# KiCad board ILM139C.kicad_pcb (continued)
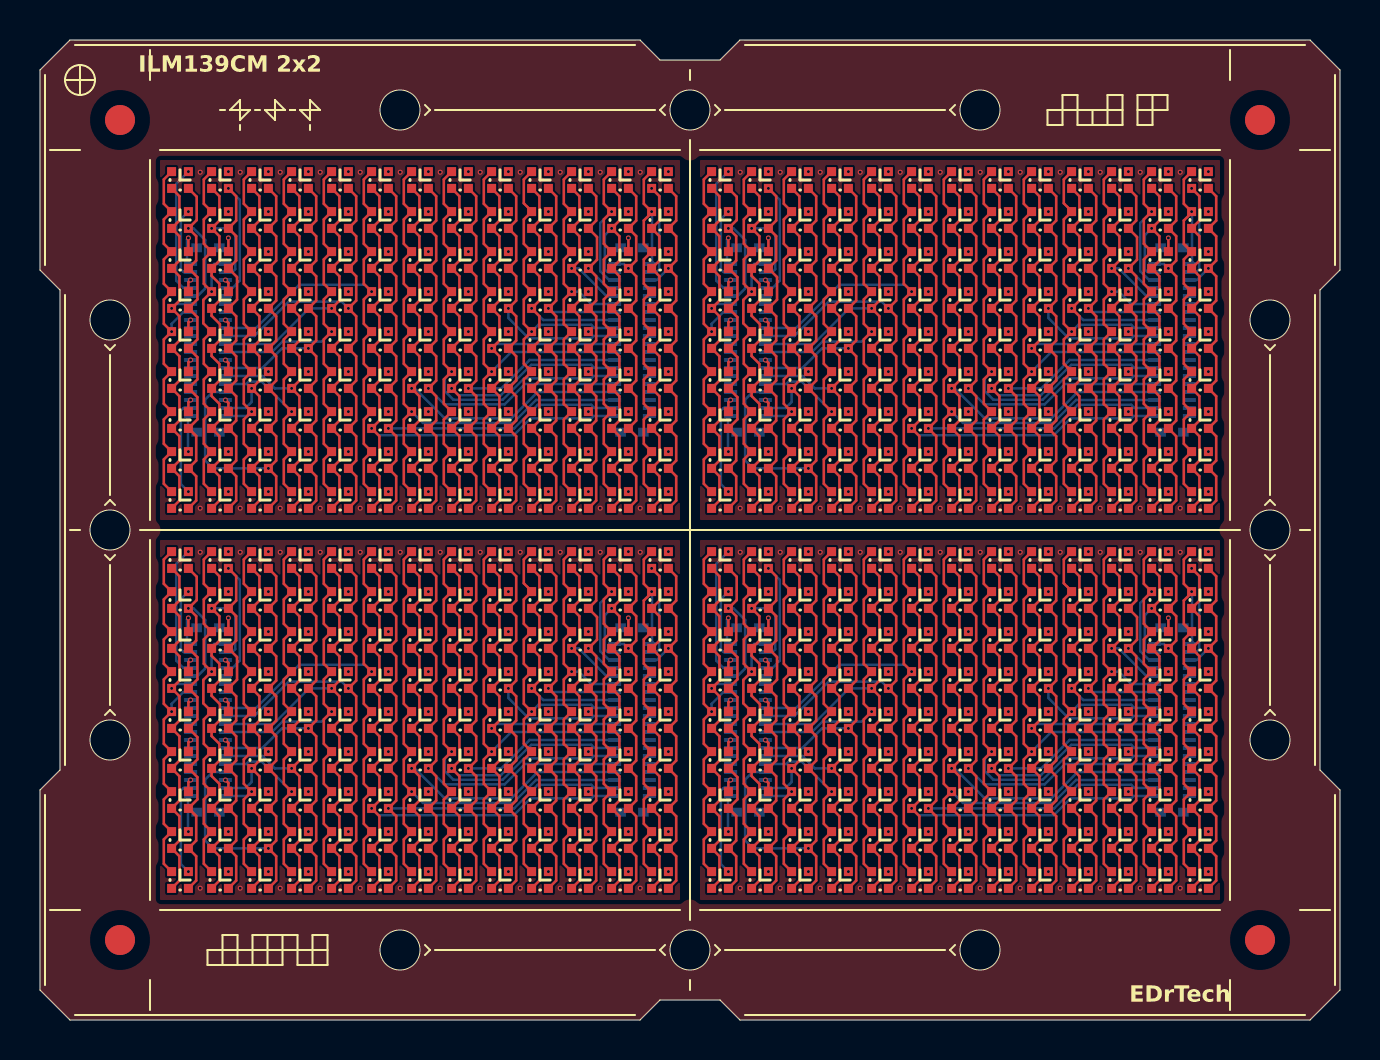
[diagram p0: board, top side]
## Routing (per net, layer and track width the routed paths; a pad name or vN(x,y) marks a point on that pad's centre or on a via; arc(x,y) is an arc through that point) (continued)
  Bottom w0.127: v1(16.58,36.42) 16.24,36.76 12.96,36.76 10.8,34.6 CN4#2.9 ; CN4.9 10.8,15.6 12.96,17.76 16.24,17.76 v1(16.58,17.42) ; v1(43.58,36.42) 43.24,36.76 39.96,36.76 37.8,34.6 CN4#4.9 ; CN4#3.9 37.8,15.6 39.96,17.76 43.24,17.76 v1(43.58,17.42)
S17: length 125.1
  Top w0.127: U29#4.3 43.97,41.19 43.97,39.97 U32#4.3 43.97,39.19 43.97,37.97 U35#4.3 43.97,37.19 43.97,35.97 U38#3.3 43.97,35.19 43.97,33.97 U41#3.3 43.97,33.19 43.97,31.97 U44#3.3 43.97,31.19 43.97,29.97 v1(43.58,29.58) 43.97,29.19 43.97,27.97 U50#4.3 43.97,27.19 43.97,25.97 U53.3 ; U29#3.3 16.97,41.19 16.97,39.97 U32#2.3 16.97,39.19 16.97,37.97 U35.3 16.97,37.19 16.97,35.97 U38#4.3 16.97,35.19 16.97,33.97 U41#2.3 16.97,33.19 16.97,31.97 U44#2.3 16.97,31.19 16.97,29.97 v1(16.58,29.58) 16.97,29.19 16.97,27.97 U50#3.3 16.97,27.19 16.97,25.97 U53#2.3 ; U53#4.3 43.97,6.97 43.97,8.19 U50.3 43.97,8.97 43.97,10.19 v1(43.58,10.58) 43.97,10.97 43.97,12.19 U44#4.3 43.97,12.97 43.97,14.19 U41#4.3 43.97,14.97 43.97,16.19 U38#2.3 43.97,16.97 43.97,18.19 U35#2.3 43.97,18.97 43.97,20.19 U32#3.3 43.97,20.97 43.97,22.19 U29#2.3 ; U29.3 16.97,22.19 16.97,20.97 U32.3 16.97,20.19 16.97,18.97 U35#3.3 16.97,18.19 16.97,16.97 U38.3 16.97,16.19 16.97,14.97 U41.3 16.97,14.19 16.97,12.97 U44.3 16.97,12.19 16.97,10.97 v1(16.58,10.58) 16.97,10.19 16.97,8.97 U50#2.3 16.97,8.19 16.97,6.97 U53#3.3
  Bottom w0.127: CN3#3.21 27.68,30.2 27.56,30.08 24.53,30.08 23.69,29.24 16.92,29.24 v1(16.58,29.58) ; v1(16.58,10.58) 16.92,10.24 23.69,10.24 24.53,11.08 27.56,11.08 27.68,11.2 CN3.21 ; CN3#2.21 54.68,30.2 54.56,30.08 51.53,30.08 50.69,29.24 43.92,29.24 v1(43.58,29.58) ; CN3#4.21 54.68,11.2 54.56,11.08 51.53,11.08 50.69,10.24 43.92,10.24 v1(43.58,10.58)
S18: length 121.8
  Top w0.127: U53.2 44.81,25.97 44.81,27.19 U50#4.2 44.81,27.97 44.81,29.19 v1(44.42,29.58) 44.81,29.97 44.81,31.19 U44#3.2 44.81,31.97 44.81,33.19 U41#3.2 44.81,33.97 44.81,35.19 U38#3.2 44.81,35.97 44.81,37.19 U35#4.2 44.81,37.97 44.81,39.19 U32#4.2 44.81,39.97 44.81,41.19 U29#4.2 ; U53#4.2 44.81,6.97 44.81,8.19 U50.2 44.81,8.97 44.81,10.19 v1(44.42,10.58) 44.81,10.97 44.81,12.19 U44#4.2 44.81,12.97 44.81,14.19 U41#4.2 44.81,14.97 44.81,16.19 U38#2.2 44.81,16.97 44.81,18.19 U35#2.2 44.81,18.97 44.81,20.19 U32#3.2 44.81,20.97 44.81,22.19 U29#2.2 ; U29.2 17.81,22.19 17.81,20.97 U32.2 17.81,20.19 17.81,18.97 U35#3.2 17.81,18.19 17.81,16.97 U38.2 17.81,16.19 17.81,14.97 U41.2 17.81,14.19 17.81,12.97 U44.2 17.81,12.19 17.81,10.97 v1(17.42,10.58) 17.81,10.19 17.81,8.97 U50#2.2 17.81,8.19 17.81,6.97 U53#3.2 ; U53#2.2 17.81,25.97 17.81,27.19 U50#3.2 17.81,27.97 17.81,29.19 v1(17.42,29.58) 17.81,29.97 17.81,31.19 U44#2.2 17.81,31.97 17.81,33.19 U41#2.2 17.81,33.97 17.81,35.19 U38#4.2 17.81,35.97 17.81,37.19 U35.2 17.81,37.97 17.81,39.19 U32#2.2 17.81,39.97 17.81,41.19 U29#3.2
  Bottom w0.127: CN3.22 27.72,11.6 27.56,11.76 24.89,11.76 23.71,10.58 v1(17.42,10.58) ; CN3#2.22 54.72,30.6 54.56,30.76 51.89,30.76 50.71,29.58 v1(44.42,29.58) ; v1(17.42,29.58) 23.71,29.58 24.89,30.76 27.56,30.76 27.72,30.6 CN3#3.22 ; v1(44.42,10.58) 50.71,10.58 51.89,11.76 54.56,11.76 54.72,11.6 CN3#4.22
S19: length 117.8
  Top w0.127: U58#2.4 45.19,23.03 45.19,21.81 U61.4 45.19,21.03 45.19,19.81 U64#4.4 45.19,19.03 45.19,17.81 U67#2.4 45.19,17.03 45.19,15.81 U70#3.4 45.19,15.03 45.19,13.81 U73#2.4 45.19,13.03 45.19,11.81 v1(45.58,11.42) 45.19,11.03 45.19,9.81 U79#3.4 45.19,9.03 45.19,7.81 U82#4.4 ; U82#2.4 45.19,26.81 45.19,28.03 U79#2.4 45.19,28.81 45.19,30.03 v1(45.58,30.42) 45.19,30.81 45.19,32.03 U73#4.4 45.19,32.81 45.19,34.03 U70#4.4 45.19,34.81 45.19,36.03 U67#4.4 45.19,36.81 45.19,38.03 U64#2.4 45.19,38.81 45.19,40.03 U61#2.4 45.19,40.81 45.19,42.03 U58#3.4 ; U82#3.4 18.19,26.81 18.19,28.03 U79#4.4 18.19,28.81 18.19,30.03 v1(18.58,30.42) 18.19,30.81 18.19,32.03 U73.4 18.19,32.81 18.19,34.03 U70#2.4 18.19,34.81 18.19,36.03 U67.4 18.19,36.81 18.19,38.03 U64.4 18.19,38.81 18.19,40.03 U61#3.4 18.19,40.81 18.19,42.03 U58#4.4 ; U58.4 18.19,23.03 18.19,21.81 U61#4.4 18.19,21.03 18.19,19.81 U64#3.4 18.19,19.03 18.19,17.81 U67#3.4 18.19,17.03 18.19,15.81 U70.4 18.19,15.03 18.19,13.81 U73#3.4 18.19,13.03 18.19,11.81 v1(18.58,11.42) 18.19,11.03 18.19,9.81 U79.4 18.19,9.03 18.19,7.81 U82.4
  Bottom w0.127: CN3#3.23 24.8,31 23.65,29.85 19.15,29.85 v1(18.58,30.42) ; CN3#4.23 51.8,12 50.65,10.85 46.15,10.85 v1(45.58,11.42) ; v1(18.58,11.42) 19.15,10.85 23.65,10.85 24.8,12 CN3.23 ; CN3#2.23 51.8,31 50.65,29.85 46.15,29.85 v1(45.58,30.42)
S20: length 119.6
  Top w0.127: U58.3 18.97,22.19 18.97,20.97 U61#4.3 18.97,20.19 18.97,18.97 U64#3.3 18.97,18.19 18.97,16.97 U67#3.3 18.97,16.19 18.97,14.97 U70.3 18.97,14.19 18.97,12.97 v1(18.58,12.58) 18.97,12.19 18.97,10.97 U76.3 18.97,10.19 18.97,8.97 U79.3 18.97,8.19 18.97,6.97 U82.3 ; U82#3.3 18.97,25.97 18.97,27.19 U79#4.3 18.97,27.97 18.97,29.19 U76#3.3 18.97,29.97 18.97,31.19 v1(18.58,31.58) 18.97,31.97 18.97,33.19 U70#2.3 18.97,33.97 18.97,35.19 U67.3 18.97,35.97 18.97,37.19 U64.3 18.97,37.97 18.97,39.19 U61#3.3 18.97,39.97 18.97,41.19 U58#4.3 ; U82#2.3 45.97,25.97 45.97,27.19 U79#2.3 45.97,27.97 45.97,29.19 U76#4.3 45.97,29.97 45.97,31.19 v1(45.58,31.58) 45.97,31.97 45.97,33.19 U70#4.3 45.97,33.97 45.97,35.19 U67#4.3 45.97,35.97 45.97,37.19 U64#2.3 45.97,37.97 45.97,39.19 U61#2.3 45.97,39.97 45.97,41.19 U58#3.3 ; U58#2.3 45.97,22.19 45.97,20.97 U61.3 45.97,20.19 45.97,18.97 U64#4.3 45.97,18.19 45.97,16.97 U67#2.3 45.97,16.19 45.97,14.97 U70#3.3 45.97,14.19 45.97,12.97 v1(45.58,12.58) 45.97,12.19 45.97,10.97 U76#2.3 45.97,10.19 45.97,8.97 U79#3.3 45.97,8.19 45.97,6.97 U82#4.3
  Bottom w0.127: v1(18.58,12.58) 18.74,12.58 20.24,11.08 23.56,11.08 24.88,12.4 CN3.24 ; CN3#4.24 51.88,12.4 50.56,11.08 47.24,11.08 45.74,12.58 v1(45.58,12.58) ; CN3#2.24 51.88,31.4 50.56,30.08 47.24,30.08 45.74,31.58 v1(45.58,31.58) ; CN3#3.24 24.88,31.4 23.56,30.08 20.24,30.08 18.74,31.58 v1(18.58,31.58)
S21: length 114.6
  Top w0.127: U82#4.2 46.81,6.97 46.81,8.19 U79#3.2 46.81,8.97 46.81,10.19 U76#2.2 46.81,10.97 46.81,12.19 v1(46.42,12.58) 46.81,12.97 46.81,14.19 U70#3.2 46.81,14.97 46.81,16.19 U67#2.2 46.81,16.97 46.81,18.19 U64#4.2 46.81,18.97 46.81,20.19 U61.2 46.81,20.97 46.81,22.19 U58#2.2 ; U58#3.2 46.81,41.19 46.81,39.97 U61#2.2 46.81,39.19 46.81,37.97 U64#2.2 46.81,37.19 46.81,35.97 U67#4.2 46.81,35.19 46.81,33.97 U70#4.2 46.81,33.19 46.81,31.97 v1(46.42,31.58) 46.81,31.19 46.81,29.97 U76#4.2 46.81,29.19 46.81,27.97 U79#2.2 46.81,27.19 46.81,25.97 U82#2.2 ; U58.2 19.81,22.19 19.81,20.97 U61#4.2 19.81,20.19 19.81,18.97 U64#3.2 19.81,18.19 19.81,16.97 U67#3.2 19.81,16.19 19.81,14.97 U70.2 19.81,14.19 19.81,12.97 v1(19.42,12.58) 19.81,12.19 19.81,10.97 U76.2 19.81,10.19 19.81,8.97 U79.2 19.81,8.19 19.81,6.97 U82.2 ; U82#3.2 19.81,25.97 19.81,27.19 U79#4.2 19.81,27.97 19.81,29.19 U76#3.2 19.81,29.97 19.81,31.19 v1(19.42,31.58) 19.81,31.97 19.81,33.19 U70#2.2 19.81,33.97 19.81,35.19 U67.2 19.81,35.97 19.81,37.19 U64.2 19.81,37.97 19.81,39.19 U61#3.2 19.81,39.97 19.81,41.19 U58#4.2
  Bottom w0.127: v1(46.42,31.58) 47.22,30.78 50.23,30.78 51.25,31.8 CN3#2.25 ; v1(19.42,31.58) 20.22,30.78 23.23,30.78 24.25,31.8 CN3#3.25 ; v1(46.42,12.58) 47.22,11.78 50.23,11.78 51.25,12.8 CN3#4.25 ; v1(19.42,12.58) 20.22,11.78 23.23,11.78 24.25,12.8 CN3.25
S22: length 115.4
  Top w0.127: U57#4.4 20.19,23.03 20.19,21.81 U60#4.4 20.19,21.03 20.19,19.81 U63.4 20.19,19.03 20.19,17.81 U66#2.4 20.19,17.03 20.19,15.81 U69.4 20.19,15.03 20.19,13.81 v1(20.58,13.42) 20.19,13.03 20.19,11.81 U75#4.4 20.19,11.03 20.19,9.81 U78#2.4 20.19,9.03 20.19,7.81 U81.4 ; U81#2.4 47.19,7.81 47.19,9.03 U78#3.4 47.19,9.81 47.19,11.03 U75#2.4 47.19,11.81 47.19,13.03 v1(47.58,13.42) 47.19,13.81 47.19,15.03 U69#2.4 47.19,15.81 47.19,17.03 U66#3.4 47.19,17.81 47.19,19.03 U63#4.4 47.19,19.81 47.19,21.03 U60#2.4 47.19,21.81 47.19,23.03 U57#3.4 ; U57.4 20.19,42.03 20.19,40.81 U60.4 20.19,40.03 20.19,38.81 U63#3.4 20.19,38.03 20.19,36.81 U66.4 20.19,36.03 20.19,34.81 U69#3.4 20.19,34.03 20.19,32.81 v1(20.58,32.42) 20.19,32.03 20.19,30.81 U75#3.4 20.19,30.03 20.19,28.81 U78#4.4 20.19,28.03 20.19,26.81 U81#3.4 ; U81#4.4 47.19,26.81 47.19,28.03 U78.4 47.19,28.81 47.19,30.03 U75.4 47.19,30.81 47.19,32.03 v1(47.58,32.42) 47.19,32.81 47.19,34.03 U69#4.4 47.19,34.81 47.19,36.03 U66#4.4 47.19,36.81 47.19,38.03 U63#2.4 47.19,38.81 47.19,40.03 U60#3.4 47.19,40.81 47.19,42.03 U57#2.4
  Bottom w0.127: CN3.26 27.68,13.2 27.56,13.08 24.21,13.08 23.14,12.01 20.67,12.01 20.24,12.44 20.24,13.08 v1(20.58,13.42) ; CN3#2.26 54.68,32.2 54.56,32.08 51.21,32.08 50.14,31.01 47.67,31.01 47.24,31.44 47.24,32.08 v1(47.58,32.42) ; v1(47.58,13.42) 47.24,13.08 47.24,12.44 47.67,12.01 50.14,12.01 51.21,13.08 54.56,13.08 54.68,13.2 CN3#4.26 ; v1(20.58,32.42) 20.24,32.08 20.24,31.44 20.67,31.01 23.14,31.01 24.21,32.08 27.56,32.08 27.68,32.2 CN3#3.26
S23: length 110.3
  Top w0.127: U81#3.3 20.97,25.97 20.97,27.19 U78#4.3 20.97,27.97 20.97,29.19 U75#3.3 20.97,29.97 20.97,31.19 v1(20.58,31.58) 20.97,31.97 20.97,33.19 U69#3.3 20.97,33.97 20.97,35.19 U66.3 20.97,35.97 20.97,37.19 U63#3.3 20.97,37.97 20.97,39.19 U60.3 20.97,39.97 20.97,41.19 U57.3 ; U81#2.3 47.97,6.97 47.97,8.19 U78#3.3 47.97,8.97 47.97,10.19 U75#2.3 47.97,10.97 47.97,12.19 v1(47.58,12.58) 47.97,12.97 47.97,14.19 U69#2.3 47.97,14.97 47.97,16.19 U66#3.3 47.97,16.97 47.97,18.19 U63#4.3 47.97,18.97 47.97,20.19 U60#2.3 47.97,20.97 47.97,22.19 U57#3.3 ; U57#2.3 47.97,41.19 47.97,39.97 U60#3.3 47.97,39.19 47.97,37.97 U63#2.3 47.97,37.19 47.97,35.97 U66#4.3 47.97,35.19 47.97,33.97 U69#4.3 47.97,33.19 47.97,31.97 v1(47.58,31.58) 47.97,31.19 47.97,29.97 U75.3 47.97,29.19 47.97,27.97 U78.3 47.97,27.19 47.97,25.97 U81#4.3 ; U57#4.3 20.97,22.19 20.97,20.97 U60#4.3 20.97,20.19 20.97,18.97 U63.3 20.97,18.19 20.97,16.97 U66#2.3 20.97,16.19 20.97,14.97 U69.3 20.97,14.19 20.97,12.97 v1(20.58,12.58) 20.97,12.19 20.97,10.97 U75#4.3 20.97,10.19 20.97,8.97 U78#2.3 20.97,8.19 20.97,6.97 U81.3
  Bottom w0.127: CN3#4.27 54.72,13.6 54.56,13.76 51.56,13.76 50.04,12.24 47.92,12.24 v1(47.58,12.58) ; v1(47.58,31.58) 47.92,31.24 50.04,31.24 51.56,32.76 54.56,32.76 54.72,32.6 CN3#2.27 ; CN3#3.27 27.72,32.6 27.56,32.76 24.56,32.76 23.04,31.24 20.92,31.24 v1(20.58,31.58) ; CN3.27 27.72,13.6 27.56,13.76 24.56,13.76 23.04,12.24 20.92,12.24 v1(20.58,12.58)
S24: length 105.9
  Top w0.127: U57#3.2 48.81,22.19 48.81,20.97 U60#2.2 48.81,20.19 48.81,18.97 U63#4.2 48.81,18.19 48.81,16.97 U66#3.2 48.81,16.19 48.81,14.97 U69#2.2 48.81,14.19 48.81,12.97 v1(48.42,12.58) 48.81,12.19 48.81,10.97 U75#2.2 48.81,10.19 48.81,8.97 U78#3.2 48.81,8.19 48.81,6.97 U81#2.2 ; U81#4.2 48.81,25.97 48.81,27.19 U78.2 48.81,27.97 48.81,29.19 U75.2 48.81,29.97 48.81,31.19 v1(48.42,31.58) 48.81,31.97 48.81,33.19 U69#4.2 48.81,33.97 48.81,35.19 U66#4.2 48.81,35.97 48.81,37.19 U63#2.2 48.81,37.97 48.81,39.19 U60#3.2 48.81,39.97 48.81,41.19 U57#2.2 ; U81.2 21.81,6.97 21.81,8.19 U78#2.2 21.81,8.97 21.81,10.19 U75#4.2 21.81,10.97 21.81,12.19 v1(21.42,12.58) 21.81,12.97 21.81,14.19 U69.2 21.81,14.97 21.81,16.19 U66#2.2 21.81,16.97 21.81,18.19 U63.2 21.81,18.97 21.81,20.19 U60#4.2 21.81,20.97 21.81,22.19 U57#4.2 ; U81#3.2 21.81,25.97 21.81,27.19 U78#4.2 21.81,27.97 21.81,29.19 U75#3.2 21.81,29.97 21.81,31.19 v1(21.42,31.58) 21.81,31.97 21.81,33.19 U69#3.2 21.81,33.97 21.81,35.19 U66.2 21.81,35.97 21.81,37.19 U63#3.2 21.81,37.97 21.81,39.19 U60.2 21.81,39.97 21.81,41.19 U57.2
  Bottom w0.127: v1(48.42,31.58) 50.06,31.58 51.48,33 CN3#2.28 ; v1(21.42,31.58) 23.06,31.58 24.48,33 CN3#3.28 ; v1(21.42,12.58) 23.06,12.58 24.48,14 CN3.28 ; CN3#4.28 51.48,14 50.06,12.58 v1(48.42,12.58)
S25: length 100.5
  Top w0.127: U80#3.4 22.19,7.81 22.19,9.03 U77#3.4 22.19,9.81 22.19,11.03 U74.4 22.19,11.81 22.19,13.03 v1(22.58,13.42) 22.19,13.81 22.19,15.03 U68.4 22.19,15.81 22.19,17.03 U65.4 22.19,17.81 22.19,19.03 U62#2.4 22.19,19.81 22.19,21.03 U59#3.4 22.19,21.81 22.19,23.03 U56.4 ; U56#2.4 22.19,42.03 22.19,40.81 U59.4 22.19,40.03 22.19,38.81 U62#3.4 22.19,38.03 22.19,36.81 U65#3.4 22.19,36.03 22.19,34.81 U68#4.4 22.19,34.03 22.19,32.81 v1(22.58,32.42) 22.19,32.03 22.19,30.81 U74#2.4 22.19,30.03 22.19,28.81 U77.4 22.19,28.03 22.19,26.81 U80.4 ; U80#4.4 49.19,7.81 49.19,9.03 U77#2.4 49.19,9.81 49.19,11.03 U74#4.4 49.19,11.81 49.19,13.03 v1(49.58,13.42) 49.19,13.81 49.19,15.03 U68#3.4 49.19,15.81 49.19,17.03 U65#2.4 49.19,17.81 49.19,19.03 U62#4.4 49.19,19.81 49.19,21.03 U59#2.4 49.19,21.81 49.19,23.03 U56#3.4 ; U80#2.4 49.19,26.81 49.19,28.03 U77#4.4 49.19,28.81 49.19,30.03 U74#3.4 49.19,30.81 49.19,32.03 v1(49.58,32.42) 49.19,32.81 49.19,34.03 U68#2.4 49.19,34.81 49.19,36.03 U65#4.4 49.19,36.81 49.19,38.03 U62.4 49.19,38.81 49.19,40.03 U59#4.4 49.19,40.81 49.19,42.03 U56#4.4
  Bottom w0.127: v1(22.58,13.42) 23.56,14.4 CN3.29 ; CN3#4.29 50.56,14.4 v1(49.58,13.42) ; CN3#2.29 50.56,33.4 v1(49.58,32.42) ; v1(22.58,32.42) 23.56,33.4 CN3#3.29
S26: length 99.3
  Top w0.127: U80.3 22.97,25.97 22.97,27.19 U77.3 22.97,27.97 22.97,29.19 U74#2.3 22.97,29.97 22.97,31.19 U71#4.3 22.97,31.97 22.97,33.19 v1(22.58,33.58) 22.97,33.97 22.97,35.19 U65#3.3 22.97,35.97 22.97,37.19 U62#3.3 22.97,37.97 22.97,39.19 U59.3 22.97,39.97 22.97,41.19 U56#2.3 ; U56#4.3 49.97,41.19 49.97,39.97 U59#4.3 49.97,39.19 49.97,37.97 U62.3 49.97,37.19 49.97,35.97 U65#4.3 49.97,35.19 49.97,33.97 v1(49.58,33.58) 49.97,33.19 49.97,31.97 U71.3 49.97,31.19 49.97,29.97 U74#3.3 49.97,29.19 49.97,27.97 U77#4.3 49.97,27.19 49.97,25.97 U80#2.3 ; U56.3 22.97,22.19 22.97,20.97 U59#3.3 22.97,20.19 22.97,18.97 U62#2.3 22.97,18.19 22.97,16.97 U65.3 22.97,16.19 22.97,14.97 v1(22.58,14.58) 22.97,14.19 22.97,12.97 U71#2.3 22.97,12.19 22.97,10.97 U74.3 22.97,10.19 22.97,8.97 U77#3.3 22.97,8.19 22.97,6.97 U80#3.3 ; U80#4.3 49.97,6.97 49.97,8.19 U77#2.3 49.97,8.97 49.97,10.19 U74#4.3 49.97,10.97 49.97,12.19 U71#3.3 49.97,12.97 49.97,14.19 v1(49.58,14.58) 49.97,14.97 49.97,16.19 U65#2.3 49.97,16.97 49.97,18.19 U62#4.3 49.97,18.97 49.97,20.19 U59#2.3 49.97,20.97 49.97,22.19 U56#3.3
  Bottom w0.127: v1(22.58,14.58) 22.8,14.8 CN3.30 ; v1(22.58,33.58) 22.8,33.8 CN3#3.30 ; CN3#4.30 49.8,14.8 v1(49.58,14.58) ; CN3#2.30 49.8,33.8 v1(49.58,33.58)
S27: length 99.4
  Top w0.127: U80.2 23.81,25.97 23.81,27.19 U77.2 23.81,27.97 23.81,29.19 U74#2.2 23.81,29.97 23.81,31.19 U71#4.2 23.81,31.97 23.81,33.19 U68#4.2 23.81,33.97 23.81,35.19 v1(23.42,35.58) 23.81,35.97 23.81,37.19 U62#3.2 23.81,37.97 23.81,39.19 U59.2 23.81,39.97 23.81,41.19 U56#2.2 ; U56#4.2 50.81,41.19 50.81,39.97 U59#4.2 50.81,39.19 50.81,37.97 U62.2 50.81,37.19 50.81,35.97 v1(50.42,35.58) 50.81,35.19 50.81,33.97 U68#2.2 50.81,33.19 50.81,31.97 U71.2 50.81,31.19 50.81,29.97 U74#3.2 50.81,29.19 50.81,27.97 U77#4.2 50.81,27.19 50.81,25.97 U80#2.2 ; U80#4.2 50.81,6.97 50.81,8.19 U77#2.2 50.81,8.97 50.81,10.19 U74#4.2 50.81,10.97 50.81,12.19 U71#3.2 50.81,12.97 50.81,14.19 U68#3.2 50.81,14.97 50.81,16.19 v1(50.42,16.58) 50.81,16.97 50.81,18.19 U62#4.2 50.81,18.97 50.81,20.19 U59#2.2 50.81,20.97 50.81,22.19 U56#3.2 ; U80#3.2 23.81,6.97 23.81,8.19 U77#3.2 23.81,8.97 23.81,10.19 U74.2 23.81,10.97 23.81,12.19 U71#2.2 23.81,12.97 23.81,14.19 U68.2 23.81,14.97 23.81,16.19 v1(23.42,16.58) 23.81,16.97 23.81,18.19 U62#2.2 23.81,18.97 23.81,20.19 U59#3.2 23.81,20.97 23.81,22.19 U56.2
  Bottom w0.127: v1(23.42,35.58) 23.42,35.1 24.44,34.08 27.56,34.08 27.68,34.2 CN3#3.31 ; v1(50.42,35.58) 50.42,35.1 51.44,34.08 54.56,34.08 54.68,34.2 CN3#2.31 ; CN3#4.31 54.68,15.2 54.56,15.08 51.44,15.08 50.42,16.1 v1(50.42,16.58) ; v1(23.42,16.58) 23.42,16.1 24.44,15.08 27.56,15.08 27.68,15.2 CN3.31
S28: length 91.8
  Top w0.127: U85.4 51.19,42.03 51.19,40.83 51.58,40.44 U88.4 51.19,40.03 51.19,38.81 U91#3.4 51.19,38.03 51.19,36.81 U94#4.4 51.19,36.03 51.19,34.81 v1(51.58,34.42) 51.19,34.03 51.19,32.81 U100#3.4 51.19,32.03 51.19,30.81 U103#4.4 51.19,30.03 51.19,28.81 U106#3.4 51.19,28.03 51.19,26.81 U109#4.4 ; U109#3.4 51.19,7.81 51.19,9.03 U106#2.4 51.19,9.81 51.19,11.03 U103#3.4 51.19,11.81 51.19,13.03 U100#4.4 51.19,13.81 51.19,15.03 v1(51.58,15.42) 51.19,15.81 51.19,17.03 U94#3.4 51.19,17.81 51.19,19.03 U91.4 51.19,19.81 51.19,21.03 U88#3.4 51.58,21.44 51.19,21.83 51.19,23.03 U85#4.4 ; U109.4 24.19,7.81 24.19,9.03 U106.4 24.19,9.81 24.19,11.03 U103.4 24.19,11.81 24.19,13.03 U100#2.4 24.19,13.81 24.19,15.03 v1(24.58,15.42) 24.19,15.81 24.19,17.03 U94#2.4 24.19,17.81 24.19,19.03 U91#2.4 24.19,19.81 24.19,21.03 U88#4.4 24.58,21.44 24.19,21.83 24.19,23.03 U85#3.4 ; U109#2.4 24.19,26.81 24.19,28.03 U106#4.4 24.19,28.81 24.19,30.03 U103#2.4 24.19,30.81 24.19,32.03 U100.4 24.19,32.81 24.19,34.03 v1(24.58,34.42) 24.19,34.81 24.19,36.03 U94.4 24.19,36.81 24.19,38.03 U91#4.4 24.19,38.81 24.19,40.03 U88#2.4 24.58,40.44 24.19,40.83 24.19,42.03 U85#2.4
  Bottom w0.127: CN3.32 27.72,15.6 27.56,15.76 24.92,15.76 v1(24.58,15.42) ; CN3#3.32 27.72,34.6 27.56,34.76 24.92,34.76 v1(24.58,34.42) ; v1(51.58,34.42) 51.92,34.76 54.56,34.76 54.72,34.6 CN3#2.32 ; v1(51.58,15.42) 51.92,15.76 54.56,15.76 54.72,15.6 CN3#4.32
S29: length 91.9
  Top w0.127: U109#3.3 51.97,6.97 51.97,8.19 U106#2.3 51.97,8.97 51.97,10.19 U103#3.3 51.97,10.97 51.97,12.19 U100#4.3 51.97,12.97 51.97,14.19 U97#4.3 51.97,14.97 51.97,16.19 v1(51.58,16.58) 51.97,16.97 51.97,18.19 U91.3 51.97,18.97 51.97,20.19 U88#3.3 51.97,20.97 51.97,22.19 U85#4.3 ; U85#3.3 24.97,22.19 24.97,20.97 U88#4.3 24.97,20.19 24.97,18.97 U91#2.3 24.97,18.19 24.97,16.97 v1(24.58,16.58) 24.97,16.19 24.97,14.97 U97#3.3 24.97,14.19 24.97,12.97 U100#2.3 24.97,12.19 24.97,10.97 U103.3 24.97,10.19 24.97,8.97 U106.3 24.97,8.19 24.97,6.97 U109.3 ; U85#2.3 24.97,41.19 24.97,39.97 U88#2.3 24.97,39.19 24.97,37.97 U91#4.3 24.97,37.19 24.97,35.97 v1(24.58,35.58) 24.97,35.19 24.97,33.97 U97#2.3 24.97,33.19 24.97,31.97 U100.3 24.97,31.19 24.97,29.97 U103#2.3 24.97,29.19 24.97,27.97 U106#4.3 24.97,27.19 24.97,25.97 U109#2.3 ; U85.3 51.97,41.19 51.97,39.97 U88.3 51.97,39.19 51.97,37.97 U91#3.3 51.97,37.19 51.97,35.97 v1(51.58,35.58) 51.97,35.19 51.97,33.97 U97.3 51.97,33.19 51.97,31.97 U100#3.3 51.97,31.19 51.97,29.97 U103#4.3 51.97,29.19 51.97,27.97 U106#3.3 51.97,27.19 51.97,25.97 U109#4.3
  Bottom w0.127: v1(24.58,35.58) 25.16,35 CN3#3.33 ; CN3.33 25.16,16 v1(24.58,16.58) ; v1(51.58,35.58) 52.16,35 CN3#2.33 ; v1(51.58,16.58) 52.16,16 CN3#4.33
S30: length 87.9
  Top w0.127: U85.2 52.81,41.19 52.81,39.97 U88.2 52.81,39.19 52.81,37.97 U91#3.2 52.81,37.19 52.81,35.97 v1(52.42,35.58) 52.81,35.19 52.81,33.97 U97.2 52.81,33.19 52.81,31.97 U100#3.2 52.81,31.19 52.81,29.97 U103#4.2 52.81,29.19 52.81,27.97 U106#3.2 52.81,27.19 52.81,25.97 U109#4.2 ; U85#2.2 25.81,41.19 25.81,39.97 U88#2.2 25.81,39.19 25.81,37.97 U91#4.2 25.81,37.19 25.81,35.97 v1(25.42,35.58) 25.81,35.19 25.81,33.97 U97#2.2 25.81,33.19 25.81,31.97 U100.2 25.81,31.19 25.81,29.97 U103#2.2 25.81,29.19 25.81,27.97 U106#4.2 25.81,27.19 25.81,25.97 U109#2.2 ; U85#4.2 52.81,22.19 52.81,20.97 U88#3.2 52.81,20.19 52.81,18.97 U91.2 52.81,18.19 52.81,16.97 v1(52.42,16.58) 52.81,16.19 52.81,14.97 U97#4.2 52.81,14.19 52.81,12.97 U100#4.2 52.81,12.19 52.81,10.97 U103#3.2 52.81,10.19 52.81,8.97 U106#2.2 52.81,8.19 52.81,6.97 U109#3.2 ; U109.2 25.81,6.97 25.81,8.19 U106.2 25.81,8.97 25.81,10.19 U103.2 25.81,10.97 25.81,12.19 U100#2.2 25.81,12.97 25.81,14.19 U97#3.2 25.81,14.97 25.81,16.19 v1(25.42,16.58) 25.81,16.97 25.81,18.19 U91#2.2 25.81,18.97 25.81,20.19 U88#4.2 25.81,20.97 25.81,22.19 U85#3.2
  Bottom w0.127: CN3.34 25.6,16.4 v1(25.42,16.58) ; v1(52.42,35.58) 52.6,35.4 CN3#2.34 ; CN3#3.34 25.6,35.4 v1(25.42,35.58) ; CN3#4.34 52.6,16.4 v1(52.42,16.58)
S31: length 84
  Top w0.127: U108#3.4 26.19,26.81 26.19,28.03 U105.4 26.19,28.81 26.19,30.03 U102.4 26.19,30.81 26.19,32.03 U99#4.4 26.19,32.81 26.19,34.03 U96#3.4 26.19,34.81 26.19,36.03 v1(26.58,36.42) 26.19,36.81 26.19,38.03 U90.4 26.19,38.81 26.19,40.03 U87.4 26.19,40.81 26.19,42.03 U84#3.4 ; U84#2.4 53.19,23.03 53.19,21.81 U87#3.4 53.19,21.03 53.19,19.81 U90#4.4 53.19,19.03 53.19,17.81 v1(53.58,17.42) 53.19,17.03 53.19,15.81 U96#2.4 53.19,15.03 53.19,13.81 U99.4 53.19,13.03 53.19,11.81 U102#3.4 53.19,11.03 53.19,9.81 U105#4.4 53.19,9.03 53.19,7.81 U108#4.4 ; U84#4.4 26.19,23.03 26.19,21.81 U87#2.4 26.19,21.03 26.19,19.81 U90#2.4 26.19,19.03 26.19,17.81 v1(26.58,17.42) 26.19,17.03 26.19,15.81 U96#4.4 26.19,15.03 26.19,13.81 U99#2.4 26.19,13.03 26.19,11.81 U102#2.4 26.19,11.03 26.19,9.81 U105#3.4 26.19,9.03 26.19,7.81 U108#2.4 ; U84.4 53.19,42.03 53.19,40.81 U87#4.4 53.19,40.03 53.19,38.81 U90#3.4 53.19,38.03 53.19,36.81 v1(53.58,36.42) 53.19,36.03 53.19,34.81 U96.4 53.19,34.03 53.19,32.81 U99#3.4 53.19,32.03 53.19,30.81 U102#4.4 53.19,30.03 53.19,28.81 U105#2.4 53.19,28.03 53.19,26.81 U108.4
  Bottom w0.127: v1(26.58,36.42) 26.94,36.42 27.56,35.8 CN3#3.35 ; CN3#2.35 54.56,35.8 53.94,36.42 v1(53.58,36.42) ; CN3#4.35 54.56,16.8 53.94,17.42 v1(53.58,17.42) ; v1(26.58,17.42) 26.94,17.42 27.56,16.8 CN3.35
S32: length 85.2
  Top w0.127: U108#2.3 26.97,6.97 26.97,8.19 U105#3.3 26.97,8.97 26.97,10.19 U102#2.3 26.97,10.97 26.97,12.19 U99#2.3 26.97,12.97 26.97,14.19 U96#4.3 26.97,14.97 26.97,16.19 U93#3.3 26.97,16.97 26.97,18.19 v1(26.58,18.58) 26.97,18.97 26.97,20.19 U87#2.3 26.97,20.97 26.97,22.19 U84#4.3 ; U108#4.3 53.97,6.97 53.97,8.19 U105#4.3 53.97,8.97 53.97,10.19 U102#3.3 53.97,10.97 53.97,12.19 U99.3 53.97,12.97 53.97,14.19 U96#2.3 53.97,14.97 53.97,16.19 U93#2.3 53.97,16.97 53.97,18.19 v1(53.58,18.58) 53.97,18.97 53.97,20.19 U87#3.3 53.97,20.97 53.97,22.19 U84#2.3 ; U84.3 53.97,41.19 53.97,39.97 U87#4.3 53.97,39.19 53.97,37.97 v1(53.58,37.58) 53.97,37.19 53.97,35.97 U93.3 53.97,35.19 53.97,33.97 U96.3 53.97,33.19 53.97,31.97 U99#3.3 53.97,31.19 53.97,29.97 U102#4.3 53.97,29.19 53.97,27.97 U105#2.3 53.97,27.19 53.97,25.97 U108.3 ; U108#3.3 26.97,25.97 26.97,27.19 U105.3 26.97,27.97 26.97,29.19 U102.3 26.97,29.97 26.97,31.19 U99#4.3 26.97,31.97 26.97,33.19 U96#3.3 26.97,33.97 26.97,35.19 U93#4.3 26.97,35.97 26.97,37.19 v1(26.58,37.58) 26.97,37.97 26.97,39.19 U87.3 26.97,39.97 26.97,41.19 U84#3.3
  Bottom w0.127: v1(53.58,18.58) 53.94,18.58 55.32,17.2 CN3#4.36 ; CN3.36 28.32,17.2 26.94,18.58 v1(26.58,18.58) ; CN3#3.36 28.32,36.2 26.94,37.58 v1(26.58,37.58) ; v1(53.58,37.58) 53.94,37.58 55.32,36.2 CN3#2.36
S33: length 81.3
  Top w0.127: U108.2 54.81,25.97 54.81,27.19 U105#2.2 54.81,27.97 54.81,29.19 U102#4.2 54.81,29.97 54.81,31.19 U99#3.2 54.81,31.97 54.81,33.19 U96.2 54.81,33.97 54.81,35.19 U93.2 54.81,35.97 54.81,37.19 v1(54.42,37.58) 54.85,38.01 54.85,39.15 U87#4.2 54.81,39.97 54.81,41.19 U84.2 ; U108#4.2 54.81,6.97 54.81,8.19 U105#4.2 54.81,8.97 54.81,10.19 U102#3.2 54.81,10.97 54.81,12.19 U99.2 54.81,12.97 54.81,14.19 U96#2.2 54.81,14.97 54.81,16.19 U93#2.2 54.81,16.97 54.81,18.19 v1(54.42,18.58) 54.85,19.01 54.85,20.15 U87#3.2 54.81,20.97 54.81,22.19 U84#2.2 ; U84#3.2 27.81,41.19 27.81,39.97 U87.2 27.85,39.15 27.85,38.01 v1(27.42,37.58) 27.81,37.19 27.81,35.97 U93#4.2 27.81,35.19 27.81,33.97 U96#3.2 27.81,33.19 27.81,31.97 U99#4.2 27.81,31.19 27.81,29.97 U102.2 27.81,29.19 27.81,27.97 U105.2 27.81,27.19 27.81,25.97 U108#3.2 ; U108#2.2 27.81,6.97 27.81,8.19 U105#3.2 27.81,8.97 27.81,10.19 U102#2.2 27.81,10.97 27.81,12.19 U99#2.2 27.81,12.97 27.81,14.19 U96#4.2 27.81,14.97 27.81,16.19 U93#3.2 27.81,16.97 27.81,18.19 v1(27.42,18.58) 27.85,19.01 27.85,20.15 U87#2.2 27.81,20.97 27.81,22.19 U84#4.2
  Bottom w0.127: CN3.37 28.4,17.6 v1(27.42,18.58) ; CN3#2.37 55.4,36.6 v1(54.42,37.58) ; CN3#4.37 55.4,17.6 v1(54.42,18.58) ; CN3#3.37 28.4,36.6 v1(27.42,37.58)
S34: length 90.8
  Top w0.127: U107#3.4 55.19,26.81 55.19,28.03 U104#3.4 55.19,28.81 55.19,30.03 U101.4 55.19,30.81 55.19,32.03 U98#3.4 55.19,32.81 55.19,34.03 U95#3.4 55.19,34.81 55.19,36.03 U92#4.4 55.19,36.81 55.19,38.03 U89#2.4 55.19,38.81 55.19,40.03 v1(55.58,40.42) 55.19,40.81 55.19,42.03 U83#3.4 ; U83.4 55.19,23.03 55.19,21.81 v1(55.58,21.42) 55.19,21.03 55.19,19.81 U89#3.4 55.19,19.03 55.19,17.81 U92#3.4 55.19,17.03 55.19,15.81 U95#4.4 55.19,15.03 55.19,13.81 U98#4.4 55.19,13.03 55.19,11.81 U101#2.4 55.19,11.03 55.19,9.81 U104#4.4 55.19,9.03 55.19,7.81 U107.4 ; U83#2.4 28.19,42.03 28.19,40.81 v1(28.58,40.42) 28.19,40.03 28.19,38.81 U89#4.4 28.19,38.03 28.19,36.81 U92.4 28.19,36.03 28.19,34.81 U95.4 28.19,34.03 28.19,32.81 U98.4 28.19,32.03 28.19,30.81 U101#3.4 28.19,30.03 28.19,28.81 U104#2.4 28.19,28.03 28.19,26.81 U107#2.4 ; U107#4.4 28.19,7.81 28.19,9.03 U104.4 28.19,9.81 28.19,11.03 U101#4.4 28.19,11.81 28.19,13.03 U98#2.4 28.19,13.81 28.19,15.03 U95#2.4 28.19,15.81 28.19,17.03 U92#2.4 28.19,17.81 28.19,19.03 U89.4 28.19,19.81 28.19,21.03 v1(28.58,21.42) 28.19,21.81 28.19,23.03 U83#4.4
  Bottom w0.127: v1(55.58,40.42) 55.01,39.85 55.01,37.44 55.45,37 CN3#2.38 ; CN3#4.38 55.45,18 55.01,18.44 55.01,20.85 v1(55.58,21.42) ; CN3#3.38 28.45,37 28.01,37.44 28.01,39.85 v1(28.58,40.42) ; v1(28.58,21.42) 28.01,20.85 28.01,18.44 28.45,18 CN3.38
